# KiCad board Teensy_Grovebox.kicad_pcb
title: Teensy Grovebox PCB
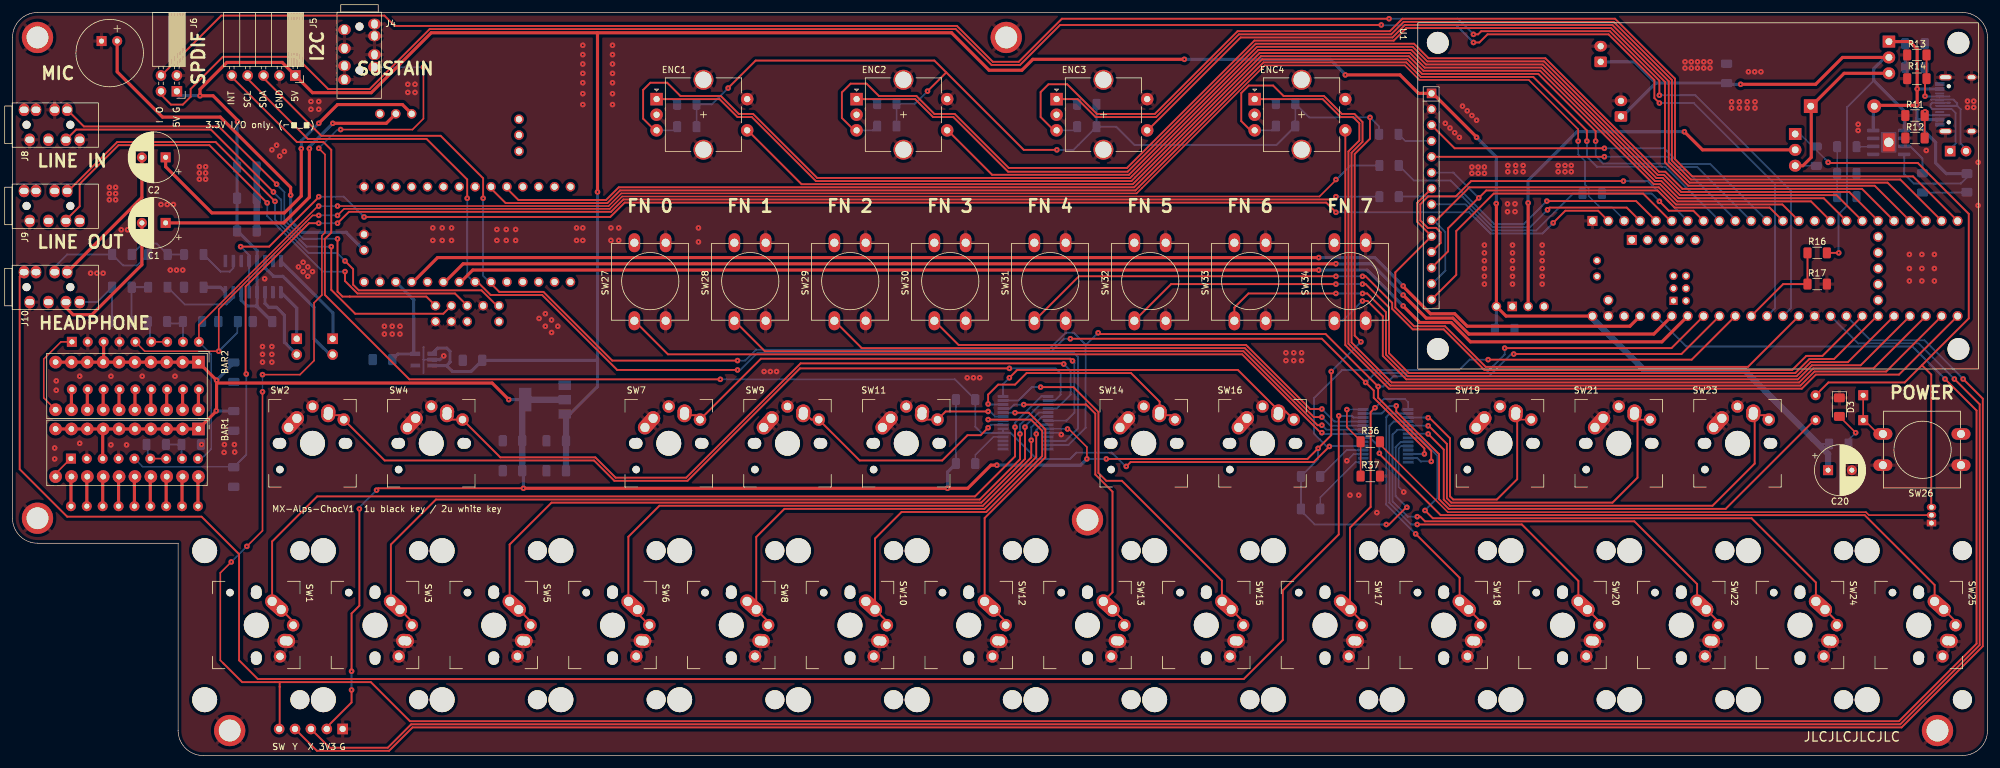
[diagram p0: board, top side]
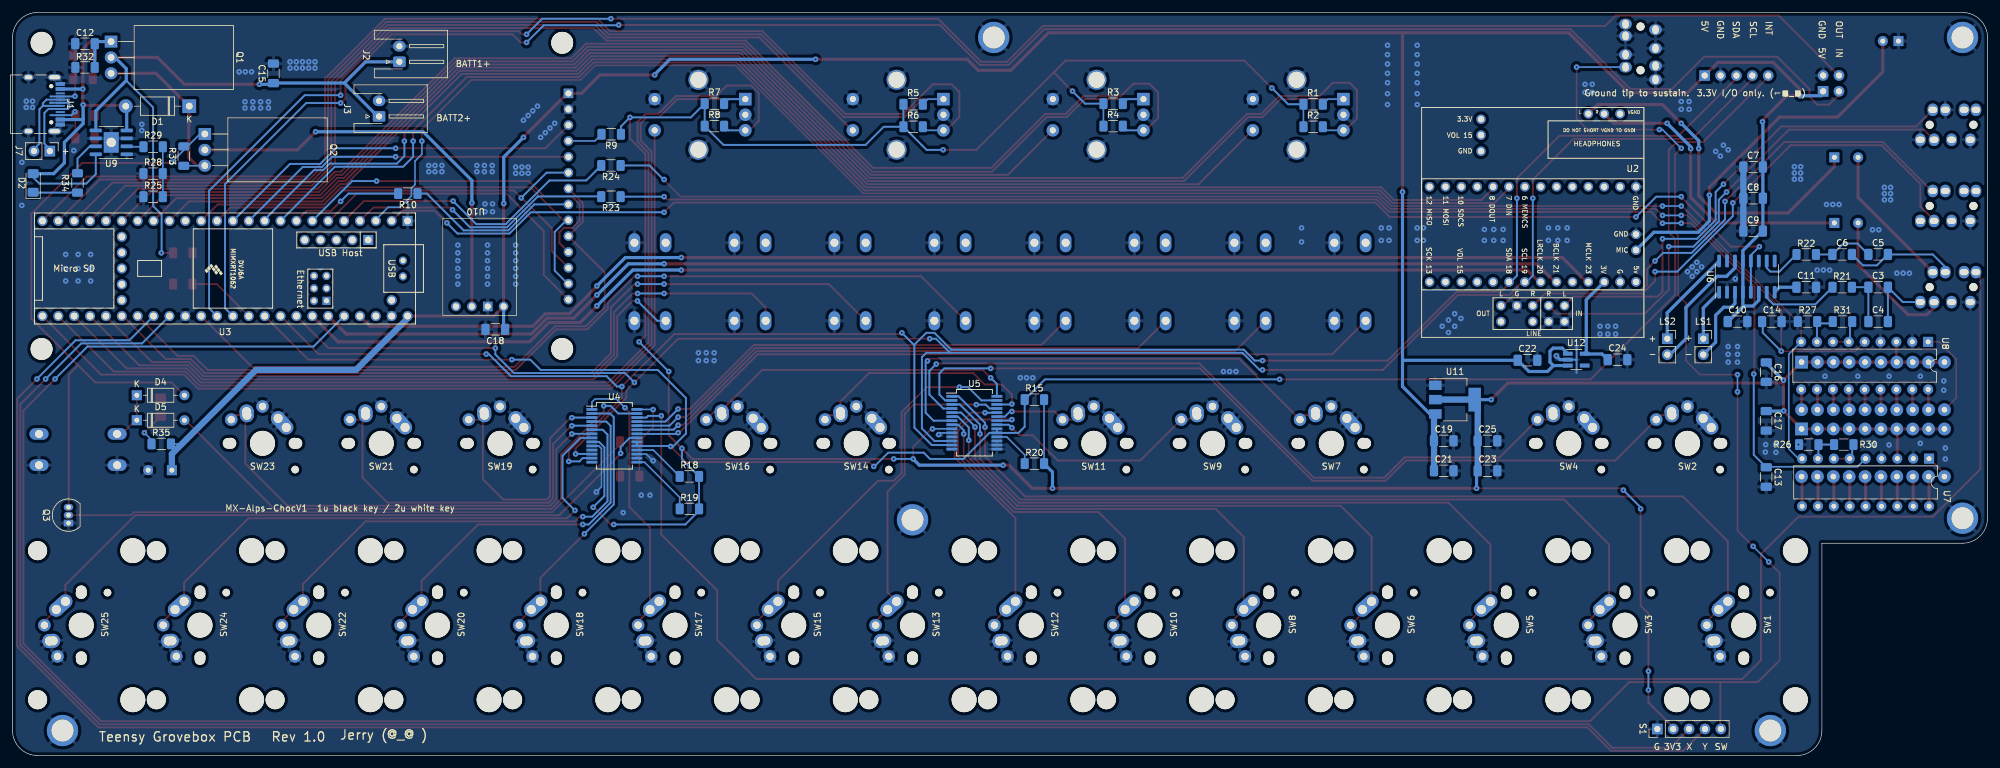
[diagram p1: board, bottom side, seen from below]

Outline 316 x 119 mm; copper layers: Top, Bottom. Coordinates in mm from the lower left corner of the outline.
Outline path: 0,115 arc(1.17,117.83) 4,119 312,119 arc(314.83,117.83) 316,115 316,4 arc(314.83,1.17) 312,0 30.5,0 arc(27.67,1.17) 26.5,4 26.5,34 4,34 arc(1.17,35.17) 0,38 0,115
Stack: Top 0.035mm / dielectric 1.51mm FR4 er 4.5 / Bottom 0.035mm

## Placement (name value [footprint] x y rotation side)
BAR1  HDSP-4830_2  [HDSP-4830]  29.75 52.3 270 top
BAR2  HDSP-4830_2  [HDSP-4830]  29.75 63 270 top
C1  220uF  [CP_Radial_D8.0mm_P3.80mm]  24.5 85.3 180 top
C2  220uF  [CP_Radial_D8.0mm_P3.80mm]  24.5 95.8 180 top
C3  100nF  [C_1206_3216Metric_Pad1.33x1.80mm_HandSolder]  17.5 75 180 bottom
C4  100nF  [C_1206_3216Metric_Pad1.33x1.80mm_HandSolder]  17.5 69.5 180 bottom
C5  100nF  [C_1206_3216Metric_Pad1.33x1.80mm_HandSolder]  17.5 80.25 180 bottom
C6  100nF  [C_1206_3216Metric_Pad1.33x1.80mm_HandSolder]  23.25 80.25 180 bottom
C7  10uF  [C_1206_3216Metric_Pad1.33x1.80mm_HandSolder]  37.5 94.25 0 bottom
C8  1uF  [C_1206_3216Metric_Pad1.33x1.80mm_HandSolder]  37.5 89.25 0 bottom
C9  100nF  [C_1206_3216Metric_Pad1.33x1.80mm_HandSolder]  37.5 84 0 bottom
C10  1uF  [C_1206_3216Metric_Pad1.33x1.80mm_HandSolder]  40 69.5 180 bottom
C11  1uF  [C_1206_3216Metric_Pad1.33x1.80mm_HandSolder]  29 75 180 bottom
C12  10uF  [C_1206_3216Metric_Pad1.33x1.80mm_HandSolder]  304.4 114 0 bottom
C13  10uF  [C_1206_3216Metric_Pad1.33x1.80mm_HandSolder]  35.4 44.6 270 bottom
C14  10uF  [C_1206_3216Metric_Pad1.33x1.80mm_HandSolder]  34.5 69.5 180 bottom
C15  10uF  [C_1206_3216Metric_Pad1.33x1.80mm_HandSolder]  274.25 109.25 90 bottom
C16  10uF  [C_1206_3216Metric_Pad1.33x1.80mm_HandSolder]  35.4 61.4 270 bottom
C17  10uF  [C_1206_3216Metric_Pad1.33x1.80mm_HandSolder]  35.4 53.6 270 bottom
C18  100nF  [C_1206_3216Metric_Pad1.33x1.80mm_HandSolder]  238.75 68.25 0 bottom
C19  100nF  [C_1206_3216Metric_Pad1.33x1.80mm_HandSolder]  87 50.4 180 bottom
C20  1000uF  [CP_Radial_D8.0mm_P3.80mm]  290.5 45.7 0 top
C21  10uF  [C_1206_3216Metric_Pad1.33x1.80mm_HandSolder]  87 45.6 180 bottom
C22  1uF  [C_1206_3216Metric_Pad1.33x1.80mm_HandSolder]  73.6 63.3 180 bottom
C23  10uF  [C_1206_3216Metric_Pad1.33x1.80mm_HandSolder]  80 45.6 180 bottom
C24  1uF  [C_1206_3216Metric_Pad1.33x1.80mm_HandSolder]  59.2 63.4 180 bottom
C25  100nF  [C_1206_3216Metric_Pad1.33x1.80mm_HandSolder]  80 50.4 180 bottom
D1  1N5819  [D_DO-41_SOD81_P10.16mm_Horizontal]  287.72 104 0 bottom
D2  LED  [LED_1206_3216Metric_Pad1.42x1.75mm_HandSolder]  312.7 91.7 90 bottom
D3  LED  [LED_1206_3216Metric_Pad1.42x1.75mm_HandSolder]  292.3 55.8 270 top
D4  1N4148  [D_DO-35_SOD27_P7.62mm_Horizontal]  296.11 57.7 180 bottom
D5  1N4148  [D_DO-35_SOD27_P7.62mm_Horizontal]  296.11 53.7 180 bottom
ENC1  RotaryEncoder_Switch  [RotaryEncoder_Alps_EC11E-Switch_Vertical_H20mm_CircularMountingHoles]  103.05 105.12 0 top
ENC2  RotaryEncoder_Switch  [RotaryEncoder_Alps_EC11E-Switch_Vertical_H20mm_CircularMountingHoles]  135.05 105.12 0 top
ENC3  RotaryEncoder_Switch  [RotaryEncoder_Alps_EC11E-Switch_Vertical_H20mm_CircularMountingHoles]  167.05 105.12 0 top
ENC4  RotaryEncoder_Switch  [RotaryEncoder_Alps_EC11E-Switch_Vertical_H20mm_CircularMountingHoles]  198.75 105.12 0 top
J1  USB4085-GF-A_REVA4  [USB_C_Receptacle_HRO_TYPE-C-31-M-12]  312.4 104.3 270 bottom
J2  Batt connector  [JST_XH_S2B-XH-A-1_1x02_P2.50mm_Horizontal]  254.1 111.1 90 bottom
J3  Batt connector  [JST_XH_S2B-XH-A-1_1x02_P2.50mm_Horizontal]  257.35 102.35 90 bottom
J4  SUSTAIN  [PJ-35372]  55.52 120.25 0 top
J5  Conn_I2C  [PinSocket_1x05_P2.54mm_Horizontal]  45.25 108.9 270 top
J6  Conn_SPDIF  [PinSocket_2x02_P2.54mm_Horizontal]  26.3 106.38 270 top
J7  Conn_01x02  [PinHeader_1x02_P2.54mm_Vertical]  310.02 96.8 270 bottom
J8  AudioJack4_LineIN  [PJ-35372]  -1.25 101.02 90 top
J9  AudioJack4_LineOUT  [PJ-35372]  -1.25 88.02 90 top
J10  AudioJack4_HP  [PJ-35372]  -1.25 75.02 90 top
LS1  Speaker  [PinSocket_1x02_P2.54mm_Vertical]  45.47 66.75 180 bottom
LS2  Speaker  [PinSocket_1x02_P2.54mm_Vertical]  51.22 66.75 180 bottom
MIC  Microphone  [CP_Radial_Tantal_D10.5mm_P2.50mm]  14.25 112.5 0 top
NOREF  -  [unnamed]  4 115 0 top
NOREF#2  -  [unnamed]  172 37.75 0 top
NOREF#3  -  [unnamed]  4 38 0 top
NOREF#4  -  [unnamed]  159 115 0 top
NOREF#5  -  [unnamed]  34.75 4 0 top
NOREF#6  -  [unnamed]  308 4 0 top
Q1  IRF4905  [TO-220-3_Horizontal_TabDown]  300.23 114.34 270 bottom
Q2  IRF4905  [TO-220-3_Horizontal_TabDown]  285.23 99.54 270 bottom
Q3  2N7000  [TO-92_Inline]  307.04 37.23 90 bottom
R1  10k  [R_1206_3216Metric_Pad1.30x1.75mm_HandSolder]  107.9 104.3 180 bottom
R2  10k  [R_1206_3216Metric_Pad1.30x1.75mm_HandSolder]  107.9 100.7 180 bottom
R3  10k  [R_1206_3216Metric_Pad1.30x1.75mm_HandSolder]  139.9 104.4 180 bottom
R4  10k  [R_1206_3216Metric_Pad1.30x1.75mm_HandSolder]  139.9 100.8 180 bottom
R5  10k  [R_1206_3216Metric_Pad1.30x1.75mm_HandSolder]  171.9 104.3 180 bottom
R6  10k  [R_1206_3216Metric_Pad1.30x1.75mm_HandSolder]  171.9 100.7 180 bottom
R7  10k  [R_1206_3216Metric_Pad1.30x1.75mm_HandSolder]  203.7 104.4 180 bottom
R8  10k  [R_1206_3216Metric_Pad1.30x1.75mm_HandSolder]  203.7 100.8 180 bottom
R9  10k  [R_1206_3216Metric_Pad1.30x1.75mm_HandSolder]  220.2 99.5 0 bottom
R10  100R  [R_1206_3216Metric_Pad1.30x1.75mm_HandSolder]  252.75 90 0 bottom
R11  10k  [R_1206_3216Metric_Pad1.30x1.75mm_HandSolder]  304.4 102.5 180 top
R12  10k  [R_1206_3216Metric_Pad1.30x1.75mm_HandSolder]  304.4 98.9 180 top
R13  10k  [R_1206_3216Metric_Pad1.30x1.75mm_HandSolder]  304.7 112.2 180 top
R14  10k  [R_1206_3216Metric_Pad1.30x1.75mm_HandSolder]  304.7 108.4 180 top
R15  10k  [R_1206_3216Metric_Pad1.30x1.75mm_HandSolder]  152.5 57 180 bottom
R16  100k  [R_1206_3216Metric_Pad1.30x1.75mm_HandSolder]  288.75 80.5 0 top
R17  100k  [R_1206_3216Metric_Pad1.30x1.75mm_HandSolder]  288.75 75.5 180 top
R18  10k  [R_1206_3216Metric_Pad1.30x1.75mm_HandSolder]  207.7 44.7 0 bottom
R19  10k  [R_1206_3216Metric_Pad1.30x1.75mm_HandSolder]  207.7 39.5 0 bottom
R20  10k  [R_1206_3216Metric_Pad1.30x1.75mm_HandSolder]  152.5 46.75 0 bottom
R21  10k  [R_1206_3216Metric_Pad1.30x1.75mm_HandSolder]  23.25 75 0 bottom
R22  10k  [R_1206_3216Metric_Pad1.30x1.75mm_HandSolder]  29 80.25 0 bottom
R23  1k  [R_1206_3216Metric_Pad1.30x1.75mm_HandSolder]  220.25 89.5 180 bottom
R24  1k  [R_1206_3216Metric_Pad1.30x1.75mm_HandSolder]  220.25 94.5 180 bottom
R25  2.4k  [R_1206_3216Metric_Pad1.30x1.75mm_HandSolder]  293.5 89.5 0 bottom
R26  220R  [R_1206_3216Metric_Pad1.30x1.75mm_HandSolder]  28.6 49.8 180 bottom
R27  220R  [R_1206_3216Metric_Pad1.30x1.75mm_HandSolder]  28.8 69.5 180 bottom
R28  2.4k  [R_1206_3216Metric_Pad1.30x1.75mm_HandSolder]  293.5 93.2 0 bottom
R29  2.4k  [R_1206_3216Metric_Pad1.30x1.75mm_HandSolder]  293.5 97.5 180 bottom
R30  1k  [R_1206_3216Metric_Pad1.30x1.75mm_HandSolder]  23 49.8 180 bottom
R31  1k  [R_1206_3216Metric_Pad1.30x1.75mm_HandSolder]  23.2 69.5 180 bottom
R32  100k  [R_1206_3216Metric_Pad1.30x1.75mm_HandSolder]  304.4 110.2 0 bottom
R33  10k  [R_1206_3216Metric_Pad1.30x1.75mm_HandSolder]  288.6 96 90 bottom
R34  1k  [R_1206_3216Metric_Pad1.30x1.75mm_HandSolder]  305.6 91.7 270 bottom
R35  1k  [R_1206_3216Metric_Pad1.30x1.75mm_HandSolder]  292.2 49.9 180 bottom
R36  100R  [R_1206_3216Metric_Pad1.30x1.75mm_HandSolder]  217.25 50.25 180 top
R37  10k  [R_1206_3216Metric_Pad1.30x1.75mm_HandSolder]  217.25 44.75 180 top
S1  RKJXV122400R  [PinHeader_1x05_P2.54mm_Vertical]  52.83 4.25 90 bottom
SW1  SW_WKEY  [MX-Alps-Choc-2U-NoLED]  39 21 270 top
SW2  SW_BKEY  [MX-Alps-Choc-1U-NoLED]  48 50 0 top
SW3  SW_WKEY  [MX-Alps-Choc-2U-NoLED]  58 21 270 top
SW4  SW_BKEY  [MX-Alps-Choc-1U-NoLED]  67 50 0 top
SW5  SW_WKEY  [MX-Alps-Choc-2U-NoLED]  77 21 270 top
SW6  SW_WKEY  [MX-Alps-Choc-2U-NoLED]  96 21 270 top
SW7  SW_BKEY  [MX-Alps-Choc-1U-NoLED]  105 50 0 top
SW8  SW_WKEY  [MX-Alps-Choc-2U-NoLED]  115 21 270 top
SW9  SW_BKEY  [MX-Alps-Choc-1U-NoLED]  124 50 0 top
SW10  SW_WKEY  [MX-Alps-Choc-2U-NoLED]  134 21 270 top
SW11  SW_BKEY  [MX-Alps-Choc-1U-NoLED]  143 50 0 top
SW12  SW_WKEY  [MX-Alps-Choc-2U-NoLED]  153 21 270 top
SW13  SW_WKEY  [MX-Alps-Choc-2U-NoLED]  172 21 270 top
SW14  SW_BKEY  [MX-Alps-Choc-1U-NoLED]  181 50 0 top
SW15  SW_WKEY  [MX-Alps-Choc-2U-NoLED]  191 21 270 top
SW16  SW_BKEY  [MX-Alps-Choc-1U-NoLED]  200 50 0 top
SW17  SW_WKEY  [MX-Alps-Choc-2U-NoLED]  210 21 270 top
SW18  SW_WKEY  [MX-Alps-Choc-2U-NoLED]  229 21 270 top
SW19  SW_BKEY  [MX-Alps-Choc-1U-NoLED]  238 50 0 top
SW20  SW_WKEY  [MX-Alps-Choc-2U-NoLED]  248 21 270 top
SW21  SW_BKEY  [MX-Alps-Choc-1U-NoLED]  257 50 0 top
SW22  SW_WKEY  [MX-Alps-Choc-2U-NoLED]  267 21 270 top
SW23  SW_BKEY  [MX-Alps-Choc-1U-NoLED]  276 50 0 top
SW24  SW_WKEY  [MX-Alps-Choc-2U-NoLED]  286 21 270 top
SW25  SW_WKEY  [MX-Alps-Choc-2U-NoLED]  305 21 270 top
SW26  SW_Push  [SW_PUSH-12mm]  299.26 51.5 0 top
SW27  SW_Push  [SW_PUSH-12mm]  99.5 69.62 90 top
SW28  SW_Push  [SW_PUSH-12mm]  115.5 69.62 90 top
SW29  SW_Push  [SW_PUSH-12mm]  131.5 69.62 90 top
SW30  SW_Push  [SW_PUSH-12mm]  147.5 69.62 90 top
SW31  SW_Push  [SW_PUSH-12mm]  163.5 69.62 90 top
SW32  SW_Push  [SW_PUSH-12mm]  179.5 69.62 90 top
SW33  SW_Push  [SW_PUSH-12mm]  195.5 69.62 90 top
SW34  SW_Push  [SW_PUSH-12mm]  211.5 69.62 90 top
U1  ILI9431_32_TFT  [ILI9341_TOUCH_32_TFT]  225.05 62.1 270 top
U2  Teensy4.0_AudioShield_REVD  [4.0audioshield]  56.25 91.09 0 bottom
U3  Teensy4.1  [Teensy41]  282 78 0 bottom
U4  MCP23017_SO  [SSOP-28_5.3x10.2mm_P0.65mm]  219.7 51.2 180 bottom
U5  MCP23017_SO  [SSOP-28_5.3x10.2mm_P0.65mm]  162.1 53.3 180 bottom
U6  PAM8403D  [SOP-16_3.9x9.9mm_P1.27mm]  38.5 76.7 90 bottom
U7  LM3914V  [DIP-18_W7.62mm]  9.35 47.55 270 bottom
U8  LM3914V  [DIP-18_W7.62mm]  9.5 66.25 270 bottom
U9  TP4056  [SOIC-8-1EP_3.9x4.9mm_P1.27mm_EP2.41x3.3mm_ThermalVias]  300.2 98.2 0 bottom
U10  Pololu_5v_booster  [POLOLU_5V_BOOST]  246.95 70.65 180 bottom
U11  AMS1117-3.3  [SOT-223-3_TabPin2]  85.2 57 180 bottom
U12  LP5907MFX-3.3  [SOT-23-5_HandSoldering]  65.8 63.4 180 bottom

## Library data of the parts
J1 = -: MANUFACTURER: Global Connector Technology; MAXIMUM_PACKAGE_HEIGHT: 3.46mm; PARTREV: A4; STANDARD: Manufacturer Recommendations
R1-R9 R11-R15 R18-R22 R33 R37 = -: Spice_Netlist_Enabled: Y; Spice_Primitive: R
R10 R16 R17 R23-R32 R34-R36 = -: Spice_Model: 10k; Spice_Netlist_Enabled: Y; Spice_Primitive: R
S1 = -: Height: 18.95; Manufacturer_Name: ALPS; Mouser Part Number: 688-RKJXV122400R; Mouser Price/Stock: https://www.mouser.co.uk/ProductDetail/ALPS/RKJXV122400R?qs=GedFDFLaBXEbB%252ByoOVwLBg%3D%3D
U2 = -: Field4: G***; Field5: LOGO

## Footprints (pads in the part's own frame, mm; a bottom-side part is the same pattern mirrored in y, then rotated)
4.0audioshield
  oval 1.524x1.524 hole 1.016: 1(0,0) 2(2.54,0) 3(5.08,0) 4(7.62,0) 5(10.16,0) 6(12.7,0) 7(15.24,0) 8(17.78,0) 9(20.32,0) 10(22.86,0) 11(25.4,0) 12(27.94,0) 13(30.48,0) 14(33.02,0) 15(0,10.16) 16(0,7.62) 17(33.02,15.24) 18(30.48,15.24) 19(27.94,15.24) 20(25.4,15.24) 21(22.86,15.24) 22(20.32,15.24) 23(17.78,15.24) 24(15.24,15.24) 25(12.7,15.24) 26(10.16,15.24) 27(7.62,15.24) 28(5.08,15.24) 29(2.54,15.24) 30(0,15.24) 41(7.62,-11.684) 42(5.08,-11.684) 43(2.54,-11.684)
  round 1.524 hole 1.016: 31(21.59,19.05) 32(19.05,19.05) 33(16.51,19.05) 34(13.97,19.05) 35(11.43,19.05) 36(13.97,21.59) 37(11.43,21.59) 38(24.79,-5.692) 39(24.79,-8.273) 40(24.79,-10.81) 45(16.51,21.59) 46(21.59,21.59)
C_1206_3216Metric_Pad1.33x1.80mm_HandSolder
  rrect 1.325x1.8 smd: 1(-1.562,0) 2(1.562,0)
CP_Radial_D8.0mm_P3.80mm
  rect 1.6x1.6 hole 0.8: 1(0,0)
  round 1.6 hole 0.8: 2(3.8,0)
CP_Radial_Tantal_D10.5mm_P2.50mm
  rect 1.6x1.6 hole 0.8: 1(0,1.925)
  round 1.6 hole 0.8: 2(2.5,1.925)
D_DO-35_SOD27_P7.62mm_Horizontal
  rect 1.6x1.6 hole 0.8: 1(0,0)
  oval 1.6x1.6 hole 0.8: 2(7.62,0)
D_DO-41_SOD81_P10.16mm_Horizontal
  rect 2.2x2.2 hole 1.1: 1(0,0)
  oval 2.2x2.2 hole 1.1: 2(10.16,0)
DIP-18_W7.62mm
  rect 1.6x1.6 hole 0.8: 1(0,0)
  oval 1.6x1.6 hole 0.8: 2(0,-2.54) 3(0,-5.08) 4(0,-7.62) 5(0,-10.16) 6(0,-12.7) 7(0,-15.24) 8(0,-17.78) 9(0,-20.32) 10(7.62,-20.32) 11(7.62,-17.78) 12(7.62,-15.24) 13(7.62,-12.7) 14(7.62,-10.16) 15(7.62,-7.62) 16(7.62,-5.08) 17(7.62,-2.54) 18(7.62,0)
HDSP-4830
  rect 2.032x2.032 hole 0.914: 1(0,0)
  round 2.032 hole 0.914: 2(0,-2.54) 3(0,-5.08) 4(0,-7.62) 5(0,-10.16) 6(0,-12.7) 7(0,-15.24) 8(0,-17.78) 9(0,-20.32) 10(0,-22.86) 11(7.62,-22.86) 12(7.62,-20.32) 13(7.62,-17.78) 14(7.62,-15.24) 15(7.62,-12.7) 16(7.62,-10.16) 17(7.62,-7.62) 18(7.62,-5.08) 19(7.62,-2.54) 20(7.62,0)
ILI9341_TOUCH_32_TFT
  round 3.5 hole 3.5 unplated: (-52.04,86.3) (-52.04,3) (-3,86.3) (-3,3)
  rect 1.524x1.524 hole 1: 1(-43.94,2)
  round 1.524 hole 1: 2(-41.4,2) 3(-38.86,2) 4(-36.32,2) 5(-33.78,2) 6(-31.24,2) 7(-28.7,2) 8(-26.16,2) 9(-23.62,2) 10(-21.08,2) 11(-18.54,2) 12(-16,2) 13(-13.46,2) 14(-10.92,2)
JST_XH_S2B-XH-A-1_1x02_P2.50mm_Horizontal
  rrect 1.7x2 hole 1: 1(0,0)
  oval 1.7x2 hole 1: 2(2.5,0)
LED_1206_3216Metric_Pad1.42x1.75mm_HandSolder
  rrect 1.425x1.75 smd: 1(-1.488,0) 2(1.488,0)
MX-Alps-Choc-1U-NoLED
  round 1.7 hole 1.7 unplated: (-5.5,0) (5.5,0)
  round 1.2 hole 1.2 unplated: (-5.22,-4.2)
  round 1.75 hole 1.75 unplated: (-5.08,0) (5.08,0)
  round 3.988 hole 3.988 unplated: (0,0)
  oval 2.831x2.25 hole 1.47 rot 86.1: 1(2.5,4.5)
  round 2.25 hole 1.47: 1(2.54,5.08) 2(-2.5,4)
  round 2 hole 1.2: 1(5,3.8) 2(0,5.9)
  oval 4.212x2.25 hole 1.47 rot 48.1: 2(-3.81,2.54)
MX-Alps-Choc-2U-NoLED
  round 3.048 hole 3.048 unplated: (-11.811,6.985) (12.065,6.985)
  round 3.988 hole 3.988 unplated: (-11.811,-8.255) (0.127,0) (12.065,-8.255)
  round 1.7 hole 1.7 unplated: (-5.373,0) (5.627,0)
  round 1.2 hole 1.2 unplated: (-5.093,-4.2)
  round 1.75 hole 1.75 unplated: (-4.953,0) (5.207,0)
  oval 4.212x2.25 hole 1.47 rot 48.1: 1(-3.683,2.54)
  round 2.25 hole 1.47: 1(-2.373,4) 2(2.667,5.08)
  round 2 hole 1.2: 1(0.127,5.9) 2(5.127,3.8)
  oval 2.831x2.25 hole 1.47 rot 86.1: 2(2.627,4.5)
PinHeader_1x02_P2.54mm_Vertical
  rect 1.7x1.7 hole 1: 1(0,0)
  oval 1.7x1.7 hole 1: 2(0,-2.54)
PinHeader_1x05_P2.54mm_Vertical
  rect 1.7x1.7 hole 1: 1(0,0)
  oval 1.7x1.7 hole 1: 2(0,-2.54) 3(0,-5.08) 4(0,-7.62) 5(0,-10.16)
PinSocket_1x02_P2.54mm_Vertical
  rect 1.7x1.7 hole 1: 1(0,0)
  oval 1.7x1.7 hole 1: 2(0,-2.54)
PinSocket_1x05_P2.54mm_Horizontal
  rect 1.7x1.7 hole 1: 1(0,0)
  oval 1.7x1.7 hole 1: 2(0,-2.54) 3(0,-5.08) 4(0,-7.62) 5(0,-10.16)
PinSocket_2x02_P2.54mm_Horizontal
  rect 1.7x1.7 hole 1: 1(0,0)
  oval 1.7x1.7 hole 1: 2(-2.54,0) 3(0,-2.54) 4(-2.54,-2.54)
PJ-35372
  round 1.3 hole 1.3 unplated: (0,-3.5) (0,-10.5)
  oval 2x1.7 hole 1x1.4: 1(-2.4,-4) 2(-2.4,-7) 3(-2.4,-9.8) 4(-2.4,-12) 5(2.4,-3.1) 6(2.4,-5) 7(2.4,-8) 8(2.4,-10)
POLOLU_5V_BOOST
  round 1.524 hole 1: 1(1.905,1.27) 2(4.445,1.27) 4(9.525,1.27)
  rect 1.524x1.524 hole 1: 3(6.985,1.27)
R_1206_3216Metric_Pad1.30x1.75mm_HandSolder
  rrect 1.3x1.75 smd: 1(-1.55,0) 2(1.55,0)
RotaryEncoder_Alps_EC11E-Switch_Vertical_H20mm_CircularMountingHoles
  rect 2x2 hole 1: A(0,0)
  round 2 hole 1: B(0,-5) C(0,-2.5) S1(14.5,-5) S2(14.5,0)
  round 3.2 hole 2.6: MP(7.5,3.1) MP(7.5,-8.1)
SOIC-8-1EP_3.9x4.9mm_P1.27mm_EP2.41x3.3mm_ThermalVias
  rrect 1.95x0.6 smd: 1(-2.475,1.905) 2(-2.475,0.635) 3(-2.475,-0.635) 4(-2.475,-1.905) 5(2.475,-1.905) 6(2.475,-0.635) 7(2.475,0.635) 8(2.475,1.905)
  round 1.8 hole 1.5: 9(0,0)
  rect 1.9x2.9 smd far side: 9(0,0)
  rect 2.41x3.3 smd: 9(0,0)
SOP-16_3.9x9.9mm_P1.27mm
  rrect 2x0.6 smd: 1(-2.5,4.445) 2(-2.5,3.175) 3(-2.5,1.905) 4(-2.5,0.635) 5(-2.5,-0.635) 6(-2.5,-1.905) 7(-2.5,-3.175) 8(-2.5,-4.445) 9(2.5,-4.445) 10(2.5,-3.175) 11(2.5,-1.905) 12(2.5,-0.635) 13(2.5,0.635) 14(2.5,1.905) 15(2.5,3.175) 16(2.5,4.445)
SOT-23-5_HandSoldering
  rect 1.56x0.65 smd: 1(-1.35,0.95) 2(-1.35,0) 3(-1.35,-0.95) 4(1.35,-0.95) 5(1.35,0.95)
SOT-223-3_TabPin2
  rect 2x1.5 smd: 1(-3.15,2.3) 2(-3.15,0) 3(-3.15,-2.3)
  rect 2x3.8 smd: 2(3.15,0)
SSOP-28_5.3x10.2mm_P0.65mm
  rect 1.75x0.45 smd: 1(-3.6,4.225) 2(-3.6,3.575) 3(-3.6,2.925) 4(-3.6,2.275) 5(-3.6,1.625) 6(-3.6,0.975) 7(-3.6,0.325) 8(-3.6,-0.325) 9(-3.6,-0.975) 10(-3.6,-1.625) 11(-3.6,-2.275) 12(-3.6,-2.925) 13(-3.6,-3.575) 14(-3.6,-4.225) 15(3.6,-4.225) 16(3.6,-3.575) 17(3.6,-2.925) 18(3.6,-2.275) 19(3.6,-1.625) 20(3.6,-0.975) 21(3.6,-0.325) 22(3.6,0.325) 23(3.6,0.975) 24(3.6,1.625) 25(3.6,2.275) 26(3.6,2.925) 27(3.6,3.575) 28(3.6,4.225)
SW_PUSH-12mm
  oval 3.048x1.85 hole 1.3: 1(0,0) 1(12.5,0) 2(0,-5) 2(12.5,-5)
Teensy41
  rect 1.6x1.6 hole 1.1: 1(-29.21,-7.62) 55(-22.911,-4.569)
  round 1.6 hole 1.1: 2(-26.67,-7.62) 3(-24.13,-7.62) 4(-21.59,-7.62) 5(-19.05,-7.62) 6(-16.51,-7.62) 7(-13.97,-7.62) 8(-11.43,-7.62) 9(-8.89,-7.62) 10(-6.35,-7.62) 11(-3.81,-7.62) 12(-1.27,-7.62) 13(1.27,-7.62) 14(3.81,-7.62) 15(6.35,-7.62) 16(8.89,-7.62) 17(11.43,-7.62) 18(13.97,-7.62) 19(16.51,-7.62) 20(19.05,-7.62) 21(21.59,-7.62) 22(24.13,-7.62) 23(26.67,-7.62) 24(29.21,-7.62) 25(29.21,7.62) 26(26.67,7.62) 27(24.13,7.62) 28(21.59,7.62) 29(19.05,7.62) 30(16.51,7.62) 31(13.97,7.62) 32(11.43,7.62) 33(8.89,7.62) 34(6.35,7.62) 35(3.81,7.62) 36(1.27,7.62) 37(-1.27,7.62) 38(-3.81,7.62) 39(-6.35,7.62) 40(-8.89,7.62) 41(-11.43,7.62) 42(-13.97,7.62) 43(-16.51,7.62) 44(-19.05,7.62) 45(-21.59,7.62) 46(-24.13,7.62) 47(-26.67,7.62) 48(-29.21,7.62) 49(-26.67,5.08) 50(16.51,-5.08) 51(16.51,-2.54) 52(16.51,0) 53(16.51,2.54) 54(16.51,5.08) 56(-20.371,-4.569) 57(-17.831,-4.569) 58(-15.291,-4.569) 59(-12.751,-4.569)
  rect 1.3x1.3 hole 0.8: 60(-16.24,5.182)
  round 1.3 hole 0.8: 61(-16.24,3.182) 62(-16.24,1.182) 63(-14.24,1.182) 64(-14.24,3.182) 65(-14.24,5.182) 66(-28.48,1.27) 67(-28.48,-1.27)
TO-92_Inline
  rect 1.05x1.5 hole 0.75: 1(0,0)
  oval 1.05x1.5 hole 0.75: 2(1.27,0) 3(2.54,0)
TO-220-3_Horizontal_TabDown
  rect 1.905x2 hole 1.1: 1(0,0)
  oval 1.905x2 hole 1.1: 2(2.54,0) 3(5.08,0)
unnamed
  round 5 hole 3.5: (0,0)
USB_C_Receptacle_HRO_TYPE-C-31-M-12
  round 0.65 hole 0.65 unplated: (-2.89,2.6) (2.89,2.6)
  rect 0.6x1.45 smd: A1(-3.25,4.045) A4(-2.45,4.045) A9(2.45,4.045) A12(3.25,4.045) B1(3.25,4.045) B4(2.45,4.045) B9(-2.45,4.045) B12(-3.25,4.045)
  rect 0.3x1.45 smd: A5(-1.25,4.045) A6(-0.25,4.045) A7(0.25,4.045) A8(1.25,4.045) B5(1.75,4.045) B6(0.75,4.045) B7(-0.75,4.045) B8(-1.75,4.045)
  oval 1x1.6 hole 0.6x1.2: S1(-4.32,-1.05) S1(4.32,-1.05)
  oval 1x2.1 hole 0.6x1.7: S1(-4.32,3.13) S1(4.32,3.13)

## Nets
+3.3VA: C24.1 U2.28 U12.5
+3V3: BAR1.1 BAR1.2 BAR1.3 BAR1.4 BAR1.5 BAR1.6 BAR1.7 BAR1.8 BAR1.9 BAR1.10 BAR2.1 BAR2.2 BAR2.3 BAR2.4 BAR2.5 BAR2.6 BAR2.7 BAR2.8 BAR2.9 BAR2.10 C16.1 C17.1 C23.1 C25.1 R1.1 R2.1 R3.1 R4.1 R5.1 R6.1 R7.1 R8.1 R9.1 R15.2 R18.1 R19.1 R20.1 S1.2 U4.9 U5.9 U7.3 U8.3 U11.2
+5V: C7.1 C8.1 C9.1 C10.1 C18.1 C19.1 C20.1 C21.1 C22.1 J5.1 J6.1 R35.2 U1.1 U3.48 U6.4 U6.6 U6.13 U10.4 U11.3 U12.1 U12.3
GND: C7.2 C8.2 C9.2 C10.2 C11.2 C12.2 C13.2 C14.2 C15.2 C16.2 C17.2 C18.2 C19.2 C20.2 C21.2 C22.2 C23.2 C24.2 C25.2 D3.1 ENC1.C ENC1.MP ENC1.S2 ENC2.C ENC2.MP ENC2.S2 ENC3.C ENC3.MP ENC3.S2 ENC4.C ENC4.MP ENC4.S2 J1.A1 J1.A12 J1.B1 J1.B12 J1.S1 J2.2 J3.2 J4.1 J4.2 J4.3 J4.4 J4.5 J4.6 J4.7 J5.2 J6.2 J8.1 J8.4 J8.7 J9.1 J10.1 MIC.1 NOREF. NOREF#2. NOREF#3. NOREF#4. NOREF#5. NOREF#6. Q3.1 R11.2 R12.2 R13.2 R14.2 R17.1 R25.2 R26.1 R27.1 R28.2 R32.2 R37.1 S1.1 SW1.2 SW2.2 SW3.2 SW4.2 SW5.2 SW6.2 SW7.2 SW8.2 SW9.2 SW10.2 SW11.2 SW12.2 SW13.2 SW14.2 SW15.2 SW16.2 SW17.2 SW18.2 SW19.2 SW20.2 SW21.2 SW22.2 SW23.2 SW24.2 SW25.2 SW26.2 SW27.2 SW28.2 SW29.2 SW30.2 SW31.2 SW32.2 SW33.2 SW34.2 U1.2 U2.1 U2.16 U2.29 U2.32 U2.36 U2.37 U3.1 U3.34 U3.47 U4.10 U4.16 U4.17 U5.10 U5.15 U5.16 U5.17 U6.2 U6.11 U6.15 U7.2 U7.4 U8.2 U8.4 U9.1 U9.3 U9.6 U9.9 U10.3 U11.1 U12.2
+BATT: C15.1 J2.1 J3.1 Q1.2 R16.2 U9.5
AMP_L: C3.2 C4.2 J10.4
AMP_R: C5.2 C6.2 J10.7
AMP_SHDN: U3.2 U6.5 U6.12
BAR1 OUT: R23.1 U3.4
BAR2 OUT: R24.1 U3.5
BAR MODE: U3.3 U7.9 U8.9
EXPANDER_INT: J5.5 R15.1 U3.39 U4.19 U4.20 U5.19 U5.20
FN_SW0: SW27.1 U4.22
FN_SW1: SW28.1 U4.23
FN_SW2: SW29.1 U4.24
FN_SW3: SW30.1 U4.25
FN_SW4: SW31.1 U3.31
FN_SW5: SW32.1 U3.30
FN_SW6: SW33.1 U3.29
FN_SW7: SW34.1 U3.28
HP_DETECT: J10.5 U4.26
HP_OUT_L: C2.2 J10.8
HP_OUT_R: C1.2 J10.3
I2C1 SCL: J5.4 U2.23 U3.41 U4.12 U5.12
I2C1 SDA: J5.3 U2.22 U3.40 U4.13 U5.13
JOY_SW: J4.8 S1.5 U3.44
JOY_X: S1.3 U3.33
JOY_Y: S1.4 U3.32
LINE_IN_L: J8.8 U2.35
LINE_IN_R: J8.3 U2.34
LINE_OUT_L: J9.8 U2.31
LINE_OUT_R: J9.3 U2.33
PWR_BTN Pin: D5.2 U4.27
PWR_ON Pin: R36.2 R37.2 U4.28
SPDIF_IN: J6.3 U3.37
SPDIF_OUT: J6.4 U3.36
USB Device D+: J1.A6 J1.B6 J7.1